# KiCad board keyball61_Left.kicad_pcb
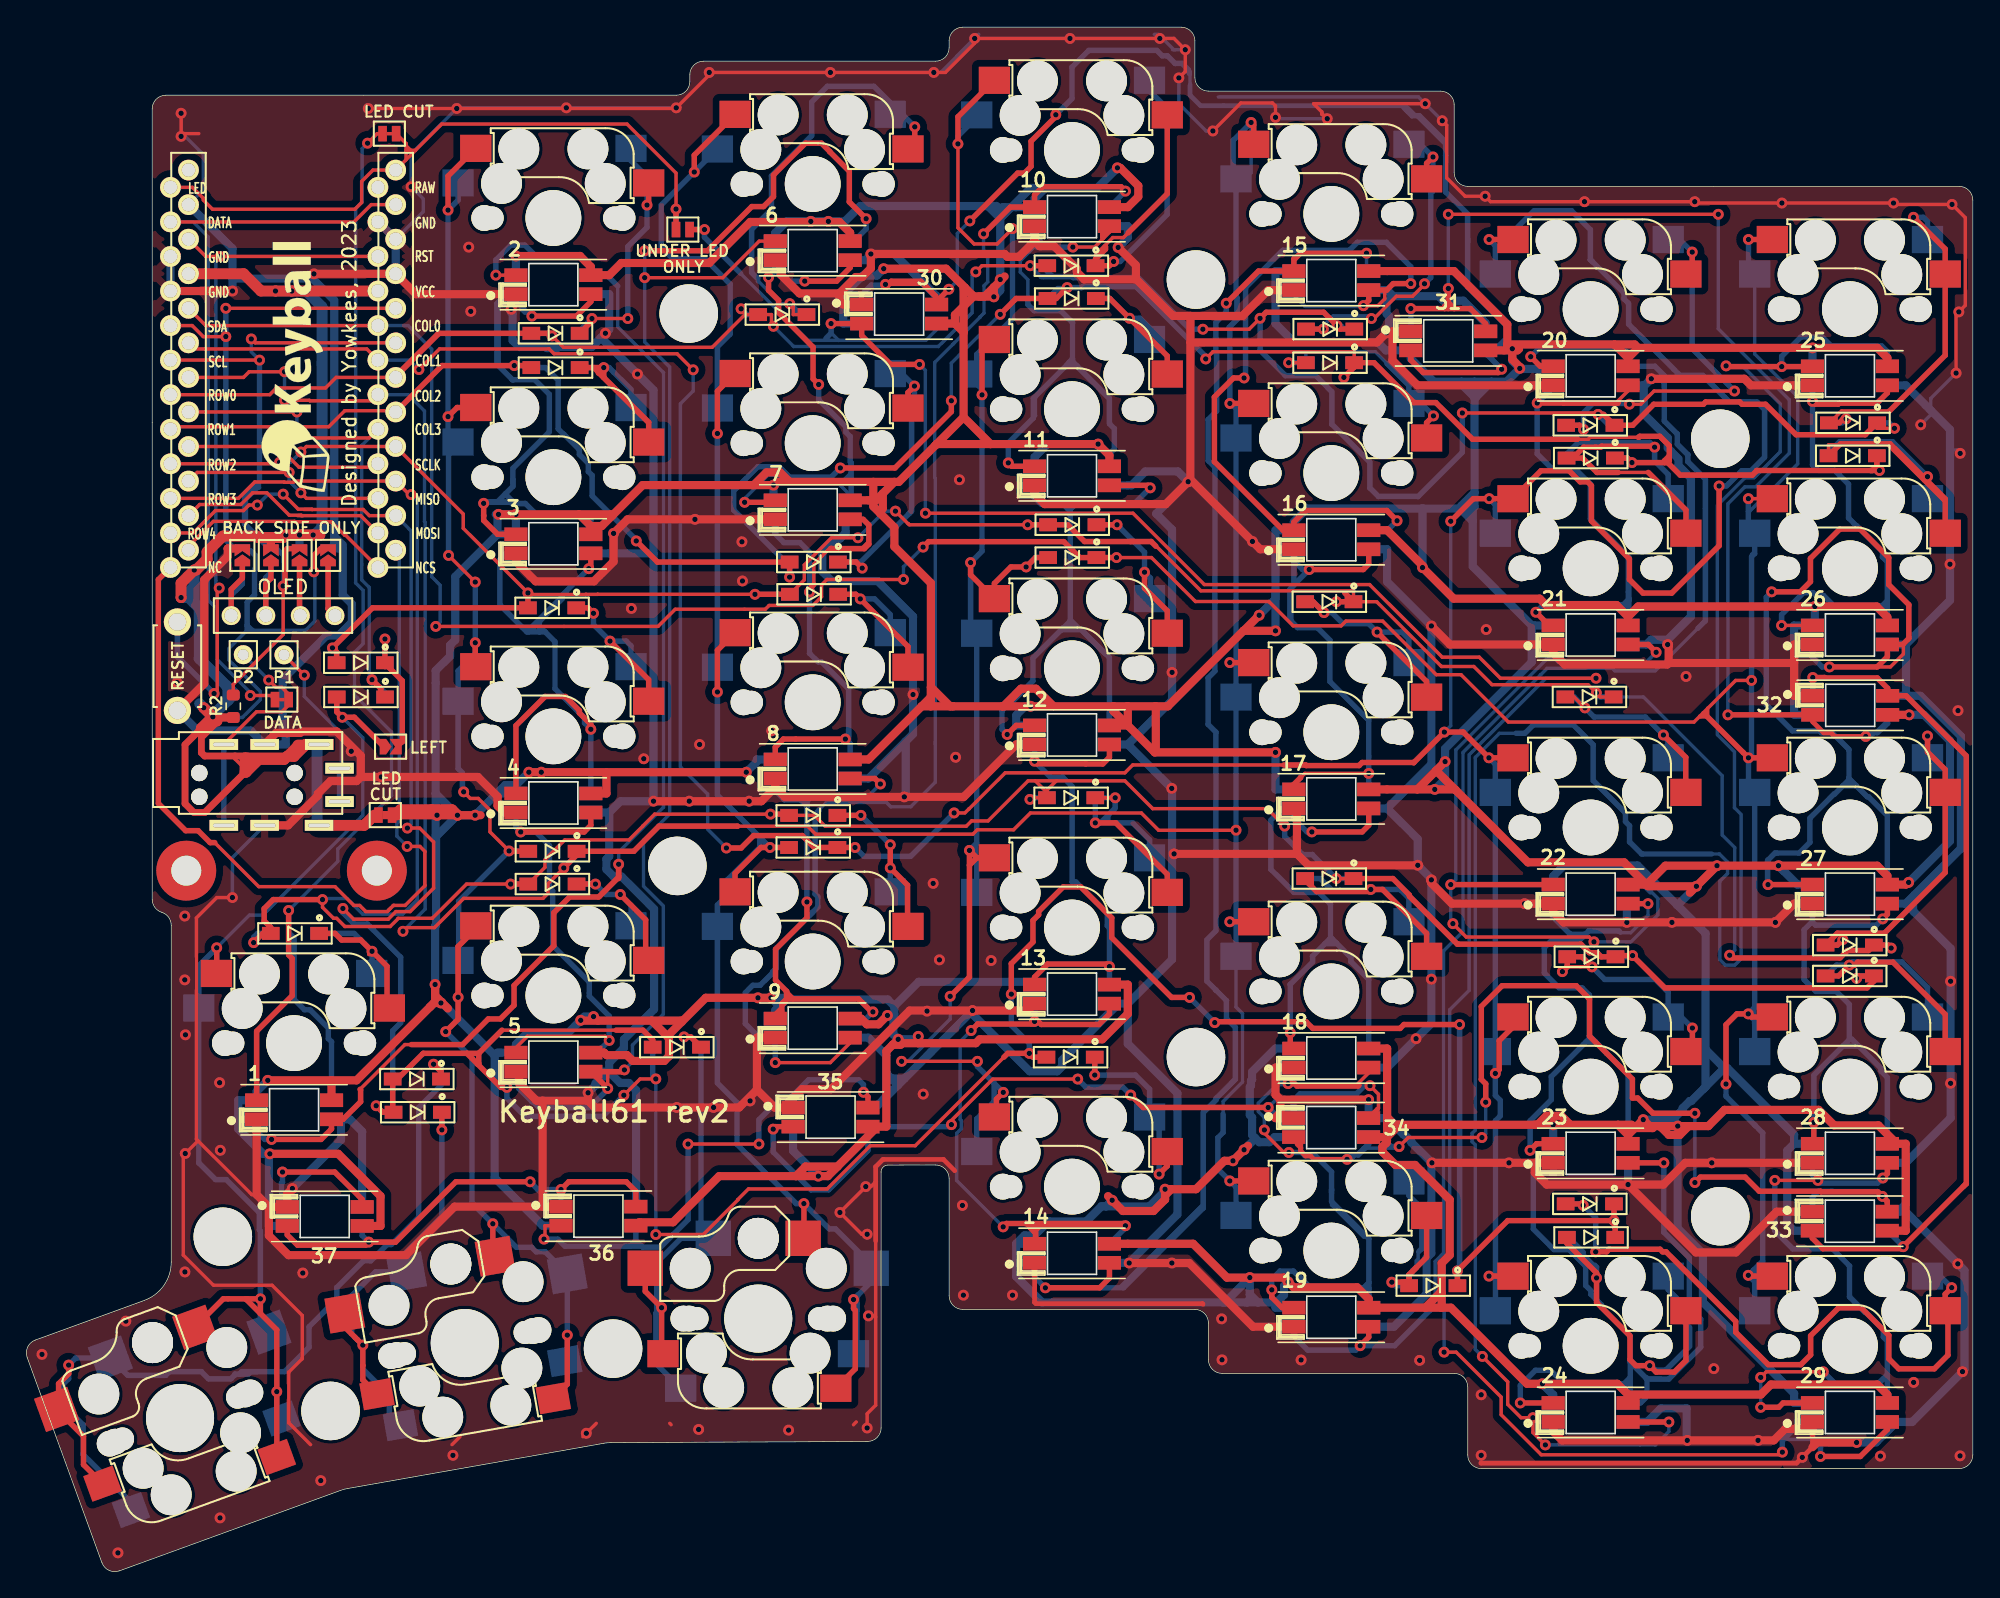
[diagram p0: board, top side]
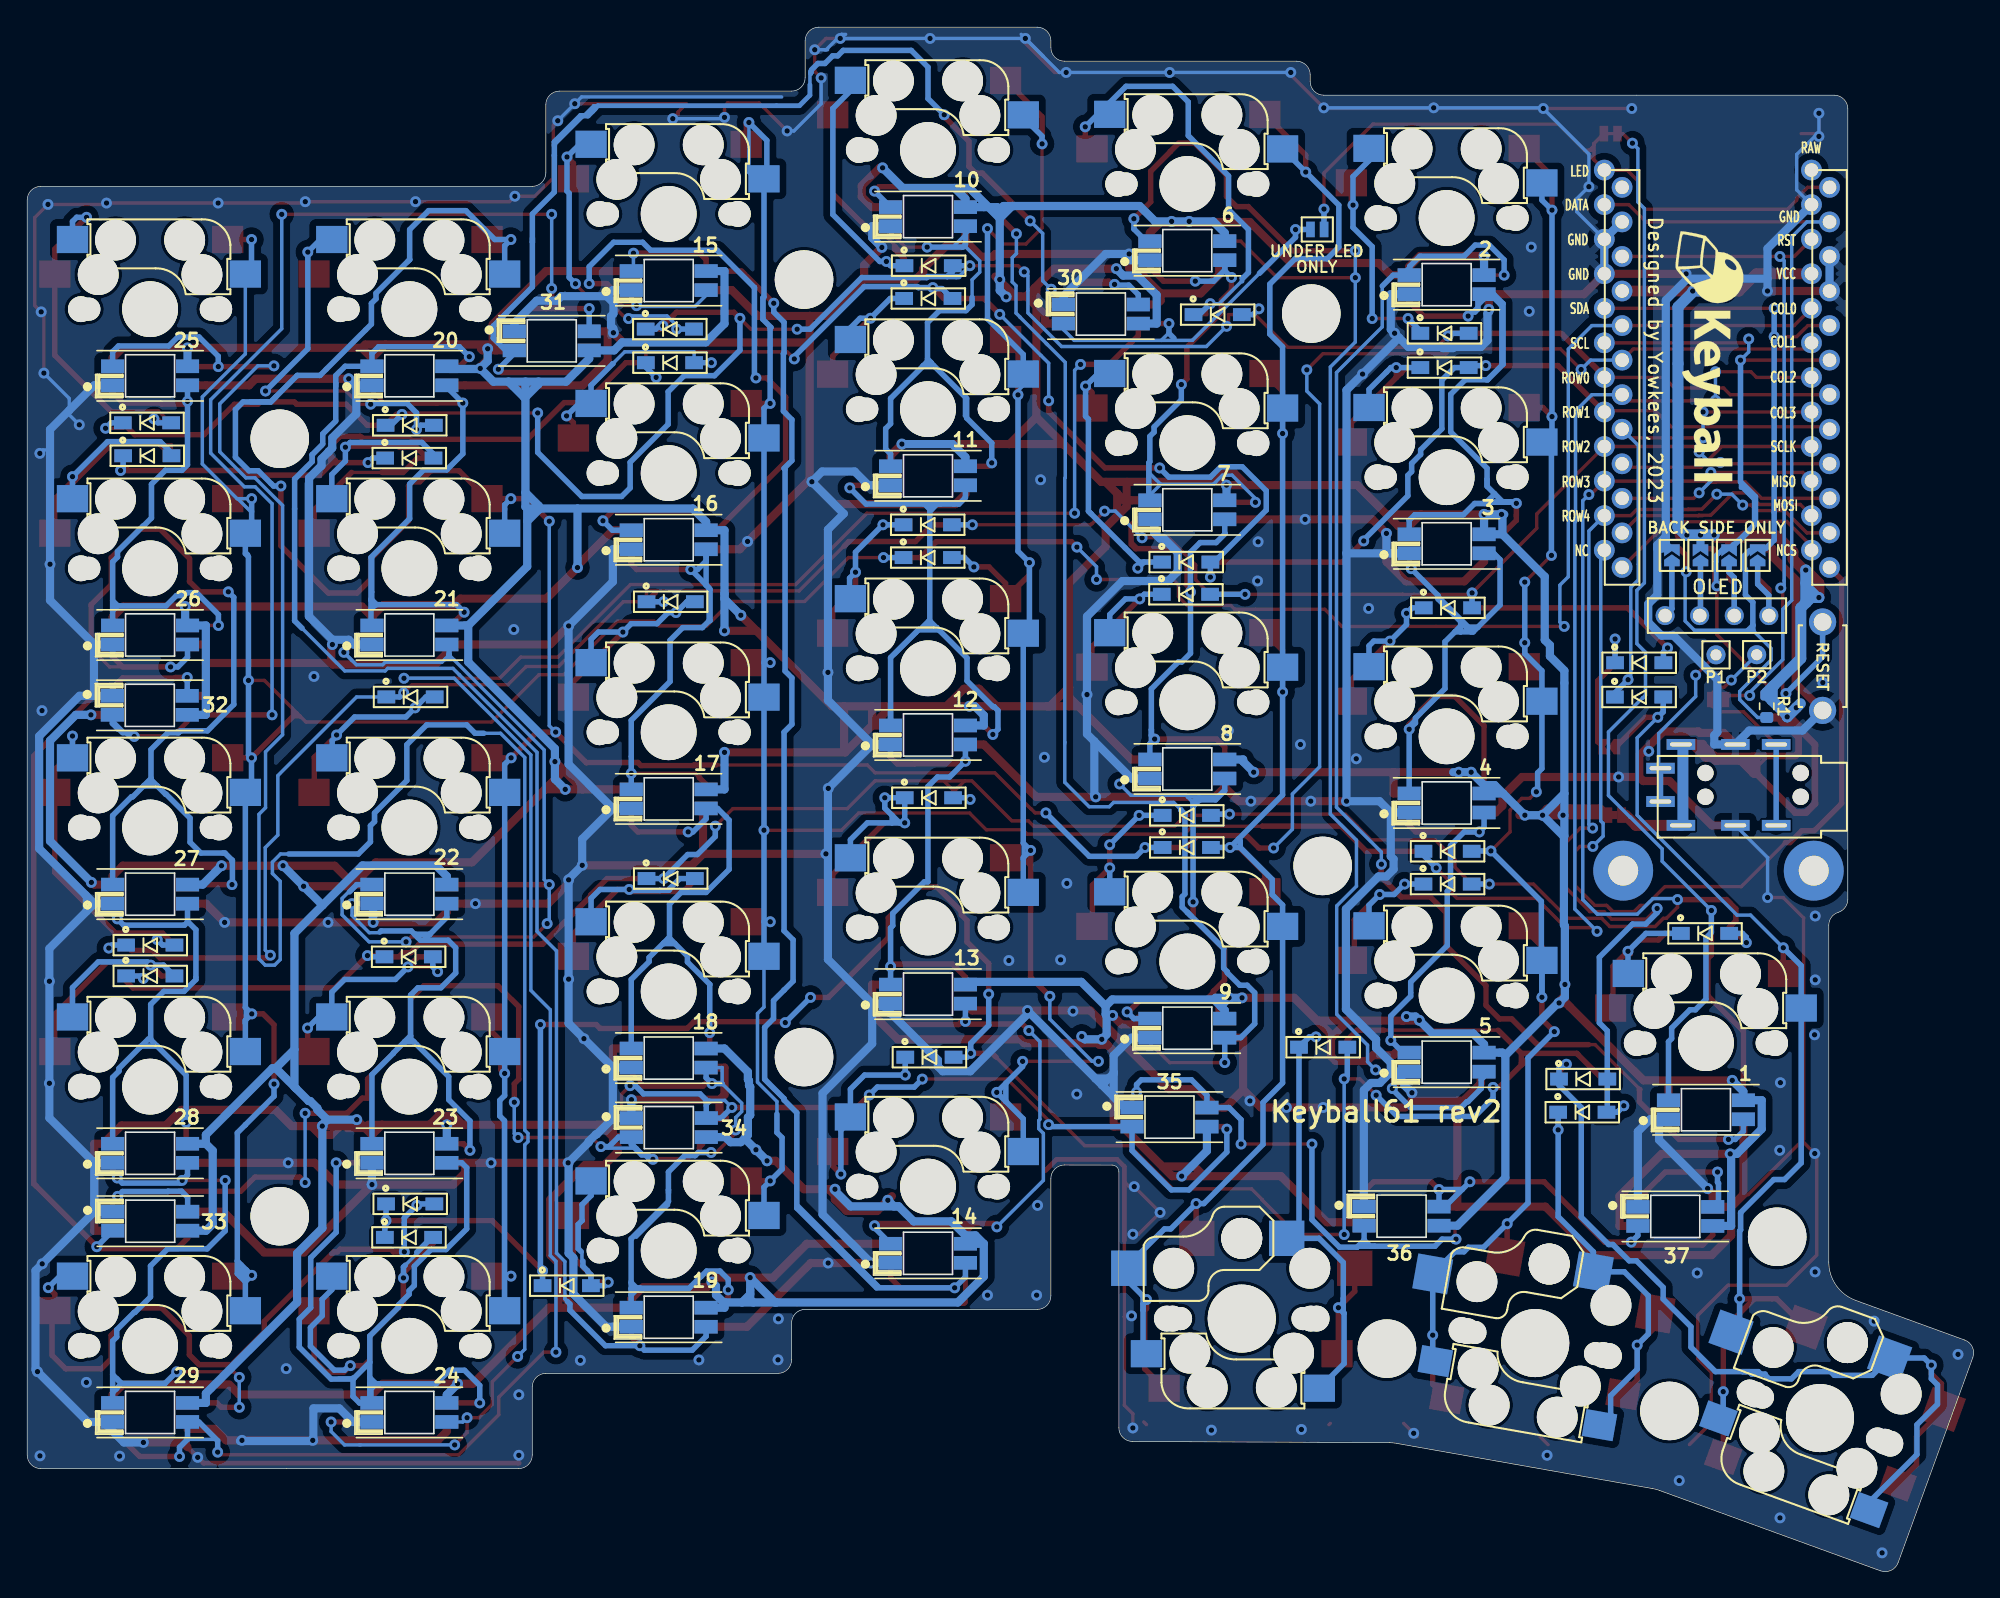
[diagram p1: board, bottom side, seen from below]

Outline 142.93 x 113.46 mm; copper layers: Top, Bottom. Coordinates in mm from the lower left corner of the outline.
Outline path: 0,15.68 arc(0.03,16.44) 0.6,16.96 8.61,19.88 arc(10.04,20.98) 10.58,22.7 10.58,47.45 arc(10.39,48.04) 9.88,48.41 arc(9.38,48.77) 9.18,49.36 9.18,84.41 9.18,107.46 arc(9.48,108.17) 10.18,108.46 47.68,108.46 arc(48.39,108.76) 48.68,109.46 48.68,109.96 arc(48.97,110.67) 49.68,110.96 66.73,110.96 arc(67.44,111.26) 67.73,111.96 67.73,112.46 arc(68.02,113.17) 68.73,113.46 84.78,113.46 arc(85.49,113.17) 85.78,112.46 85.78,109.76 arc(86.07,109.06) 86.78,108.76 103.83,108.76 arc(104.54,108.47) 104.83,107.76 104.83,102.76 arc(105.12,102.06) 105.83,101.76 123.88,101.76 141.93,101.76 arc(142.64,101.47) 142.93,100.76 142.93,8.51 arc(142.64,7.81) 141.93,7.51 123.88,7.51 106.83,7.51 arc(106.12,7.81) 105.83,8.51 105.83,13.51 arc(105.54,14.22) 104.83,14.51 87.78,14.51 arc(87.07,14.81) 86.78,15.51 86.78,18.21 arc(86.49,18.92) 85.78,19.21 68.73,19.21 arc(68.02,19.51) 67.73,20.21 67.73,28.83 arc(67.44,29.54) 66.73,29.83 63.23,29.82 arc(62.88,29.68) 62.73,29.32 62.73,10.51 arc(62.44,9.8) 61.73,9.51 42.86,9.42 arc(42.6,9.41) 42.35,9.38 23.52,6.05 arc(23.27,5.99) 23.02,5.91 6.77,0 arc(6.01,0.03) 5.49,0.6 0,15.68

## Placement (name value [footprint] x y rotation side)
1  YS-SK6812MINI-E  [YS-SK6812MINI-Keyball-TL]  19.6 33.89 0 top
2  YS-SK6812MINI-E  [YS-SK6812MINI-Keyball-TL]  38.65 94.54 0 top
3  YS-SK6812MINI-E  [YS-SK6812MINI-Keyball-TL]  38.65 75.49 0 top
4  YS-SK6812MINI-E  [YS-SK6812MINI-Keyball-TL]  38.65 56.44 0 top
5  YS-SK6812MINI-E  [YS-SK6812MINI-Keyball-TL]  38.65 37.39 0 top
6  YS-SK6812MINI-E  [YS-SK6812MINI-Keyball-TL]  57.7 97.04 0 top
7  YS-SK6812MINI-E  [YS-SK6812MINI-Keyball-TL]  57.7 77.99 0 top
8  YS-SK6812MINI-E  [YS-SK6812MINI-Keyball-TL]  57.7 58.94 0 top
9  YS-SK6812MINI-E  [YS-SK6812MINI-Keyball-TL]  57.7 39.89 0 top
10  YS-SK6812MINI-E  [YS-SK6812MINI-Keyball-TL]  76.75 99.54 0 top
11  YS-SK6812MINI-E  [YS-SK6812MINI-Keyball-TL]  76.75 80.49 0 top
12  YS-SK6812MINI-E  [YS-SK6812MINI-Keyball-TL]  76.75 61.44 0 top
13  YS-SK6812MINI-E  [YS-SK6812MINI-Keyball-TL]  76.75 42.39 0 top
14  YS-SK6812MINI-E  [YS-SK6812MINI-Keyball-TL]  76.75 23.34 0 top
15  YS-SK6812MINI-E  [YS-SK6812MINI-Keyball-TL]  95.8 94.84 0 top
16  YS-SK6812MINI-E  [YS-SK6812MINI-Keyball-TL]  95.8 75.79 0 top
17  YS-SK6812MINI-E  [YS-SK6812MINI-Keyball-TL]  95.8 56.74 0 top
18  YS-SK6812MINI-E  [YS-SK6812MINI-Keyball-TL]  95.8 37.69 0 top
19  YS-SK6812MINI-E  [YS-SK6812MINI-Keyball-TL]  95.8 18.64 0 top
20  YS-SK6812MINI-E  [YS-SK6812MINI-Keyball-TL]  114.85 87.84 0 top
21  YS-SK6812MINI-E  [YS-SK6812MINI-Keyball-TL]  114.85 68.79 0 top
22  YS-SK6812MINI-E  [YS-SK6812MINI-Keyball-TL]  114.85 49.74 0 top
23  YS-SK6812MINI-E  [YS-SK6812MINI-Keyball-TL]  114.85 30.69 0 top
24  YS-SK6812MINI-E  [YS-SK6812MINI-Keyball-TL]  114.85 11.64 0 top
25  YS-SK6812MINI-E  [YS-SK6812MINI-Keyball-TL]  133.9 87.84 0 top
26  YS-SK6812MINI-E  [YS-SK6812MINI-Keyball-TL]  133.9 68.79 0 top
27  YS-SK6812MINI-E  [YS-SK6812MINI-Keyball-TL]  133.9 49.74 0 top
28  YS-SK6812MINI-E  [YS-SK6812MINI-Keyball-TL]  133.9 30.69 0 top
29  YS-SK6812MINI-E  [YS-SK6812MINI-Keyball-TL]  133.9 11.64 0 top
30  YS-SK6812MINI-E  [YS-SK6812MINI-Keyball-BL]  64.05 92.38 0 top
31  YS-SK6812MINI-E  [YS-SK6812MINI-Keyball-BL]  104.39 90.41 0 top
32  YS-SK6812MINI-E  [YS-SK6812MINI-Keyball-BL]  133.92 63.62 0 top
33  YS-SK6812MINI-E  [YS-SK6812MINI-Keyball-BL]  133.89 25.7 0 top
34  YS-SK6812MINI-E  [YS-SK6812MINI-Keyball-BL]  95.79 32.58 0 top
35  YS-SK6812MINI-E  [YS-SK6812MINI-Keyball-BL]  59.01 33.35 0 top
36  YS-SK6812MINI-E  [YS-SK6812MINI-Keyball-BL]  41.96 26.07 0 top
37  YS-SK6812MINI-E  [YS-SK6812MINI-Keyball-BL]  21.85 26.05 0 top
D1  D  [D3_SMD_v2_BOTH]  134.13 84.38 180 top
D2  D  [D3_SMD_v2_BOTH]  114.83 84.2 180 top
D3  D  [D3_SMD_v2_BOTH]  95.72 91.27 180 top
D4  D  [D3_SMD_v2_BOTH]  76.71 95.93 180 top
D5  D  [D3_SMD_v2_BOTH]  55.47 92.34 180 top
D6  D  [D3_SMD_v2_BOTH]  38.81 90.96 180 top
D7  D  [D3_SMD_v2_BOTH]  134.11 81.96 180 top
D8  D  [D3_SMD_v2_BOTH]  114.86 81.79 180 top
D9  D  [D3_SMD_v2_BOTH]  95.71 88.8 180 top
D10  D  [D3_SMD_v2_BOTH]  76.73 93.52 180 top
D11  D  [D3_SMD_v2_BOTH]  57.78 74.15 180 top
D12  D  [D3_SMD_v2_BOTH]  38.81 88.44 180 top
D13  D  [D3_SMD_v2_BOTH]  133.89 45.99 180 top
D14  D  [D3_SMD_v2_BOTH]  114.77 64.23 180 top
D15  D  [D3_SMD_v2_BOTH]  95.66 71.23 180 top
D16  D  [D3_SMD_v2_BOTH]  76.77 76.89 180 top
D17  D  [D3_SMD_v2_BOTH]  57.8 71.78 180 top
D18  D  [D3_SMD_v2_BOTH]  38.56 70.78 180 top
D19  D  [D3_SMD_v2_BOTH]  24.5 66.75 180 top
D20  D  [D3_SMD_v2_BOTH]  133.89 43.72 180 top
D21  D  [D3_SMD_v2_BOTH]  114.91 45.13 180 top
D22  D  [D3_SMD_v2_BOTH]  95.66 50.88 180 top
D23  D  [D3_SMD_v2_BOTH]  76.69 56.82 180 top
D24  D  [D3_SMD_v2_BOTH]  57.74 55.53 180 top
D25  D  [D3_SMD_v2_BOTH]  38.58 50.48 180 top
D26  D  [D3_SMD_v2_BOTH]  19.67 46.85 180 top
D27  D  [D3_SMD_v2_BOTH]  114.79 26.97 180 top
D28  D  [D3_SMD_v2_BOTH]  114.88 24.51 180 top
D29  D  [D3_SMD_v2_BOTH]  103.29 20.96 180 top
D30  D  [D3_SMD_v2_BOTH]  76.65 37.75 180 top
D31  D  [D3_SMD_v2_BOTH]  47.72 38.49 180 top
D32  D  [D3_SMD_v2_BOTH]  28.68 33.71 180 top
D33  D  [D3_SMD_v2_BOTH]  28.62 36.15 180 top
D34  D  [D3_SMD_v2_BOTH]  76.77 74.48 180 top
D35  D  [D3_SMD_v2_BOTH]  57.74 53.17 180 top
D36  D  [D3_SMD_v2_BOTH]  38.58 52.89 180 top
D37  D  [D3_SMD_v2_BOTH]  24.51 64.23 180 top
DATA  Device_Jumper  [JP025]  18.7 64.04 180 top
G***  LOGO  [keyball_logo700]  20.03 89.07 90 top
G***#2  LOGO  [keyball_logo700]  19.66 88.7 270 bottom
J1  -  [OLED]  14.98 70.21 0 top
J2  Conn_01x01-Connector_Generic  [MountingHole_2.2mm_M2_Pad]  25.68 51.46 0 top
J3  Conn_01x01-Connector_Generic  [MountingHole_2.2mm_M2_Pad]  11.68 51.46 0 top
J4  Conn_01x01-Connector_Generic  [MountingHole_4.3mm_M4]  124.38 83.21 0 top
J5  Conn_01x01-Connector_Generic  [MountingHole_4.3mm_M4]  85.86 37.76 0 top
J6  Conn_01x01-Connector_Generic  [MountingHole_4.3mm_M4]  22.28 11.75 0 top
J7  Conn_01x01-Connector_Generic  [MountingHole_4.3mm_M4]  124.38 26.06 0 top
J8  Conn_01x01-Connector_Generic  [MountingHole_4.3mm_M4]  43.04 16.33 0 top
J9  Conn_01x01-Connector_Generic  [MountingHole_4.3mm_M4]  14.37 24.55 0 top
J10  Conn_01x01-Connector_Generic  [MountingHole_4.3mm_M4]  85.86 94.91 0 top
J11  Conn_01x01-Connector_Generic  [MountingHole_4.3mm_M4]  47.76 51.81 0 top
J12  Conn_01x01-Connector_Generic  [MountingHole_4.3mm_M4]  48.6 92.41 0 top
J13  TRS_JACK  [TRRS_JACK_MJ4PP9]  11.14 58.64 90 top
JP1  LEFT  [Jumper_NEW]  26.69 60.58 0 top
JP2  Device_Jumper_NO_Small  [Jumper_NEW]  15.8 74.64 90 top
JP3  Device_Jumper_NO_Small  [Jumper_NEW]  17.9 74.64 90 top
JP4  Device_Jumper_NO_Small  [Jumper_NEW]  20 74.64 90 top
JP5  BACK SIDE ONLY  [Jumper_NEW]  22.1 74.64 90 top
JP6  Device_Jumper_NO_Small  [Jumper_NEW]  15.8 74.64 90 bottom
JP7  BACK SIDE ONLY  [Jumper_NEW]  17.9 74.64 90 bottom
JP8  Device_Jumper_NO_Small  [Jumper_NEW]  20 74.64 90 bottom
JP9  Device_Jumper_NO_Small  [Jumper_NEW]  22.1 74.64 90 bottom
JP13  UNDER LED  [Jumper]  48.16 98.59 180 top
JP14  UNDER LED  [Jumper]  48.15 98.6 180 bottom
LED  CUT  [JP06]  26.3 55.55 180 top
LED CUT  Device_Jumper_NO_Small  [JP025]  26.6 105.64 180 top
P1  I2C  [1pin_conn]  18.86 67.33 0 top
P2  I2C  [1pin_conn]  15.87 67.34 0 top
R1  PULL_UP  [R_0603_1608Metric]  15.13 63.55 270 bottom
R2  PULL_UP  [R_0603_1608Metric]  15.13 63.55 90 top
SW1  SW_PUSH-kbd  [CherryMX_MidHeight_Hotswap]  133.9 92.74 0 top
SW2  SW_PUSH-kbd  [CherryMX_MidHeight_Hotswap]  114.85 92.74 0 top
SW3  SW_PUSH-kbd  [CherryMX_MidHeight_Hotswap]  95.8 99.74 0 top
SW4  SW_PUSH-kbd  [CherryMX_MidHeight_Hotswap]  76.75 104.44 0 top
SW5  SW_PUSH-kbd  [CherryMX_MidHeight_Hotswap]  57.7 101.94 0 top
SW6  SW_PUSH-kbd  [CherryMX_MidHeight_Hotswap]  38.65 99.44 0 top
SW7  SW_PUSH-kbd  [CherryMX_MidHeight_Hotswap]  133.9 73.69 0 top
SW8  SW_PUSH-kbd  [CherryMX_MidHeight_Hotswap]  114.85 73.69 0 top
SW9  SW_PUSH-kbd  [CherryMX_MidHeight_Hotswap]  95.8 80.69 0 top
SW10  SW_PUSH-kbd  [CherryMX_MidHeight_Hotswap]  76.75 85.39 0 top
SW11  SW_PUSH-kbd  [CherryMX_MidHeight_Hotswap]  57.7 82.89 0 top
SW12  SW_PUSH-kbd  [CherryMX_MidHeight_Hotswap]  38.65 80.39 0 top
SW13  SW_PUSH-kbd  [CherryMX_MidHeight_Hotswap]  133.9 54.64 0 top
SW14  SW_PUSH-kbd  [CherryMX_MidHeight_Hotswap]  114.85 54.64 0 top
SW15  SW_PUSH-kbd  [CherryMX_MidHeight_Hotswap]  95.8 61.64 0 top
SW16  SW_PUSH-kbd  [CherryMX_MidHeight_Hotswap]  76.75 66.34 0 top
SW17  SW_PUSH-kbd  [CherryMX_MidHeight_Hotswap]  57.7 63.84 0 top
SW18  SW_PUSH-kbd  [CherryMX_MidHeight_Hotswap]  38.65 61.34 0 top
SW19  SW_PUSH-kbd  [CherryMX_MidHeight_Hotswap]  133.9 35.59 0 top
SW20  SW_PUSH-kbd  [CherryMX_MidHeight_Hotswap]  114.85 35.59 0 top
SW21  SW_PUSH-kbd  [CherryMX_MidHeight_Hotswap]  95.8 42.59 0 top
SW22  SW_PUSH-kbd  [CherryMX_MidHeight_Hotswap]  76.75 47.29 0 top
SW23  SW_PUSH-kbd  [CherryMX_MidHeight_Hotswap]  57.7 44.79 0 top
SW24  SW_PUSH-kbd  [CherryMX_MidHeight_Hotswap]  38.65 42.29 0 top
SW25  SW_PUSH-kbd  [CherryMX_MidHeight_Hotswap]  19.6 38.79 0 top
SW26  SW_PUSH-kbd  [CherryMX_MidHeight_Hotswap]  133.9 16.54 0 top
SW27  SW_PUSH-kbd  [CherryMX_MidHeight_Hotswap]  114.85 16.54 0 top
SW28  SW_PUSH-kbd  [CherryMX_MidHeight_Hotswap]  95.8 23.54 0 top
SW29  SW_PUSH-kbd  [CherryMX_MidHeight_Hotswap]  76.75 28.24 0 top
SW30  SW_PUSH-kbd  [MX&Choc_V1_V2_Hotswap_BOTH]  53.7 18.54 180 top
SW31  SW_PUSH-kbd  [MX&Choc_V1_V2_Hotswap_BOTH]  32.15 16.74 190 top
SW32  SW_PUSH-kbd  [MX&Choc_V1_V2_Hotswap_BOTH]  11.23 11.23 200 top
SW33  RESET_SW  [ResetSW]  11.03 66.49 90 top
U1  ProMicro-kbd  [ProMicro_v2_for61]  19.41 88.48 0 top

## Library data of the parts
1-37 = -: Field4: REF**

## Footprints (pads in the part's own frame, mm; a bottom-side part is the same pattern mirrored in y, then rotated)
1pin_conn
  round 1.397 hole 0.813: 1(0,0)
CherryMX_MidHeight_Hotswap
  round 1.9 hole 1.9 unplated: (-5.08,0) (5.08,0)
  round 1.7 hole 1.7 unplated: (-4.5,0) (4.5,0)
  round 3 hole 3 unplated: (-3.81,2.54) (-2.54,5.08) (2.54,5.08) (3.81,2.54)
  round 4.1 hole 4.1 unplated: (0,0)
  rect 2.3x2 smd far side: 1(-7,2.58) 2(5.7,5.12)
  rect 2.3x2 smd: 1(-5.7,5.12) 2(7,2.58)
D3_SMD_v2_BOTH
  rect 1.3x0.95 smd: 1(-1.775,0) 2(1.775,0)
  rect 1.3x0.95 smd far side: 1(-1.775,0) 2(1.775,0)
JP06
  rect 0.4x0.6 smd: (0,0)
  rect 0.635x1.143 smd: 1(-0.5,0) 2(0.5,0)
JP025
  rect 0.381x0.25 smd: (0,0)
  rect 0.635x1.143 smd: 1(-0.5,0) 2(0.5,0)
Jumper
  rect 0.635x1.143 smd: 1(-0.5,0) 2(0.5,0)
Jumper_NEW
  custom 0.875x1.143 smd: 1(-0.5,0)
  custom 0.892x1.143 smd: 2(0.5,0)
MountingHole_2.2mm_M2_Pad
  round 4.4 hole 2.2: 1(0,0)
MountingHole_4.3mm_M4
  round 4.3 hole 4.3 unplated: (0,0)
MX&Choc_V1_V2_Hotswap_BOTH
  round 1.9 hole 1.9 unplated: (-5.5,0) (-5.08,0) (5.08,0) (5.5,0)
  round 3 hole 3 unplated: (-5,-3.7) (-3.81,2.54) (-2.54,5.08) (0,-5.9) (0,-5.9) (2.54,5.08) (3.81,2.54) (5,-3.7)
  round 1.7 hole 1.7 unplated: (-4.5,0) (4.5,0)
  round 4.1 hole 4.1 unplated: (0,0)
  round 5 hole 5 unplated: (0,0)
  rect 2.6x2.6 smd far side: 1(-8.3,-3.7) 2(3.3,-5.9)
  rect 2.3x2 smd far side: 1(-7,2.58) 2(5.7,5.12)
  rect 2.3x2 smd: 1(-5.7,5.12) 2(7,2.58)
  rect 2.6x2.6 smd: 1(-3.3,-5.9) 2(8.3,-3.7)
OLED
  round 1.397 hole 1: 1(0,0) 2(2.54,0) 3(5.08,0) 4(7.62,0)
ProMicro_v2_for61
  round 1.524 hole 1: 1(-8.89,13.208) 1(7.656,14.478) 2(-8.89,10.668) 2(7.656,11.938) 3(-8.89,8.128) 3(7.656,9.398) 4(-8.89,5.588) 4(7.656,6.858) 5(-8.89,3.048) 5(7.656,4.318) 6(-8.89,0.508) 6(7.656,1.778) 7(-8.89,-2.032) 7(7.656,-0.762) 8(-8.89,-4.572) 8(7.656,-3.302) 9(-8.89,-7.112) 9(7.656,-5.842) 10(-8.89,-9.652) 10(7.656,-8.382) 11(-8.89,-12.192) 11(7.656,-10.922) 12(-8.89,-14.732) 12(7.656,-13.462) 13(-7.564,-13.462) 13(6.35,-14.732) 14(-7.564,-10.922) 14(6.35,-12.192) 15(-7.564,-8.382) 15(6.35,-9.652) 16(-7.564,-5.842) 16(6.35,-7.112) 17(-7.564,-3.302) 17(6.35,-4.572) 18(-7.564,-0.762) 18(6.35,-2.032) 19(-7.564,1.778) 19(6.35,0.508) 20(-7.564,4.318) 20(6.35,3.048) 21(-7.564,6.858) 21(6.35,5.588) 22(-7.564,9.398) 22(6.35,8.128) 23(-7.564,11.938) 23(6.35,10.668) 24(-7.564,14.478) 24(6.35,13.208)
R_0603_1608Metric
  rrect 0.8x0.95 smd: 1(-0.825,0) 2(0.825,0)
ResetSW
  round 2 hole 1.3: 1(3.25,0) 2(-3.25,0)
TRRS_JACK_MJ4PP9
  round 1.2 hole 1.2 unplated: (-1.75,-1.5) (-1.75,-8.5) (0,-1.5) (0,-8.5)
  rect 0.8x2.1 hole 0.3x1.6: A(-2.1,-11.8) A(0.35,-11.8) B(-3.85,-3.3) B(2.1,-3.3) C(-3.85,-6.3) C(2.1,-6.3) D(-3.85,-10.3) D(2.1,-10.3)
YS-SK6812MINI-Keyball-BL
  rect 1.7x1 smd far side: 1(-2.75,-0.7) 2(-2.75,0.7) 3(2.75,0.7) 4(2.75,-0.7)
  rect 1.7x1 smd: 1(2.75,-0.7) 2(2.75,0.7) 3(-2.75,0.7) 4(-2.75,-0.7)
YS-SK6812MINI-Keyball-TL
  rect 1.7x1 smd far side: 1(-2.75,0.7) 2(-2.75,-0.7) 3(2.75,-0.7) 4(2.75,0.7)
  rect 1.7x1 smd: 1(2.75,0.7) 2(2.75,-0.7) 3(-2.75,-0.7) 4(-2.75,0.7)

## Nets
GND: 1.3 2.3 3.3 4.3 5.3 6.3 7.3 8.3 9.3 10.3 11.3 12.3 13.3 14.3 15.3 16.3 17.3 18.3 19.3 20.3 21.3 22.3 23.3 24.3 25.3 26.3 27.3 28.3 29.3 30.3 31.3 32.3 33.3 34.3 35.3 36.3 37.3 J13.C JP2.2 JP9.2 SW33.2 U1.3 U1.4 U1.23
VCC: J13.D JP3.2 JP8.2 LED.2 R1.1 R2.1 U1.21
COL0: D34.1 SW1.1 SW7.1 SW13.1 SW19.1 SW26.1 U1.20
COL1: D35.1 SW2.1 SW8.1 SW14.1 SW20.1 SW27.1 U1.19
COL2: D36.1 SW3.1 SW9.1 SW15.1 SW21.1 SW28.1 U1.18
COL3: D37.1 U1.17
DATA: DATA.2 U1.2
LED: JP13.2 JP14.2 LED CUT.1 U1.1
RESET: SW33.1 U1.22
ROW0: D1.1 D2.1 D3.1 D4.2 D5.2 D6.2 U1.7
ROW1: D7.1 D8.1 D9.1 D10.2 D11.2 D12.2 U1.8
ROW2: D13.1 D14.1 D15.1 D16.2 D17.2 D18.2 D19.2 U1.9
ROW3: D20.1 D21.1 D22.1 D23.2 D24.2 D25.2 D26.2 U1.10
ROW4: D27.1 D28.1 D29.1 D30.2 D31.2 D32.2 D33.2 U1.11
SCL: JP4.2 JP7.2 R2.2 U1.6
SDA: JP5.2 JP6.2 R1.2 U1.5
Net-(D1-Pad2): D1.2 SW1.2
Net-(D2-Pad2): D2.2 SW2.2
Net-(D3-Pad2): D3.2 SW3.2
Net-(D4-Pad1): D4.1 SW4.2
Net-(D5-Pad1): D5.1 SW5.2
Net-(D6-Pad1): D6.1 SW6.2
Net-(D7-Pad2): D7.2 SW7.2
Net-(D8-Pad2): D8.2 SW8.2
Net-(D9-Pad2): D9.2 SW9.2
Net-(D10-Pad1): D10.1 SW10.2
Net-(D11-Pad1): D11.1 SW11.2
Net-(D12-Pad1): D12.1 SW12.2
Net-(D13-Pad2): D13.2 SW13.2
Net-(D14-Pad2): D14.2 SW14.2
Net-(D15-Pad2): D15.2 SW15.2
Net-(D16-Pad1): D16.1 SW16.2
Net-(D17-Pad1): D17.1 SW17.2
Net-(D18-Pad1): D18.1 SW18.2
Net-(D19-Pad1): D19.1 JP1.2
Net-(D20-Pad2): D20.2 SW19.2
Net-(D21-Pad2): D21.2 SW20.2
Net-(D22-Pad2): D22.2 SW21.2
Net-(D23-Pad1): D23.1 SW22.2
Net-(D24-Pad1): D24.1 SW23.2
Net-(D25-Pad1): D25.1 SW24.2
Net-(D26-Pad1): D26.1 SW25.2
Net-(D27-Pad2): D27.2 SW26.2
Net-(D28-Pad2): D28.2 SW27.2
Net-(D29-Pad2): D29.2 SW28.2
Net-(D30-Pad1): D30.1 SW29.2
Net-(D31-Pad1): D31.1 SW30.2
Net-(D32-Pad1): D32.1 SW31.2
Net-(D33-Pad1): D33.1 SW32.2
Net-(D34-Pad2): D34.2 SW4.1 SW10.1 SW16.1 SW22.1 SW29.1
Net-(D35-Pad2): D35.2 SW5.1 SW11.1 SW17.1 SW23.1 SW30.1
Net-(D36-Pad2): D36.2 SW6.1 SW12.1 SW18.1 SW24.1 SW31.1
Net-(D37-Pad2): D37.2 JP1.1 SW25.1 SW32.1
Net-(J1-Pad1): J1.1 JP2.1 JP6.1
Net-(J1-Pad2): J1.2 JP3.1 JP7.1
Net-(J1-Pad3): J1.3 JP4.1 JP8.1
Net-(J1-Pad4): J1.4 JP5.1 JP9.1
Net-(J13-PadA): J13.A P1.1
Net-(J13-PadB): DATA.1 J13.B P2.1
Net-(JP11-Pad1): 1.1 2.1 3.1 4.1 5.1 6.1 7.1 8.1 9.1 10.1 11.1 12.1 13.1 14.1 15.1 16.1 17.1 18.1 19.1 20.1 21.1 22.1 23.1 24.1 25.1 26.1 27.1 28.1 29.1 30.1 31.1 32.1 33.1 34.1 35.1 36.1 37.1 LED.1
Net-(JP12-Pad2): 1.4 LED CUT.2
Net-(JP13-Pad1): 29.2 30.4 JP13.1 JP14.1
Net-(LED1-Pad2): 1.2 2.4
Net-(LED2-Pad2): 2.2 3.4
Net-(LED3-Pad2): 3.2 4.4
Net-(LED4-Pad2): 4.2 5.4
Net-(LED5-Pad2): 5.2 6.4
Net-(LED6-Pad2): 6.2 7.4
Net-(LED7-Pad2): 7.2 8.4
Net-(LED8-Pad2): 8.2 9.4
Net-(LED10-Pad2): 10.2 11.4
Net-(LED10-Pad4): 9.2 10.4
Net-(LED11-Pad2): 11.2 12.4
Net-(LED12-Pad2): 12.2 13.4
Net-(LED13-Pad2): 13.2 14.4
Net-(LED14-Pad2): 14.2 15.4
Net-(LED15-Pad2): 15.2 16.4
Net-(LED16-Pad2): 16.2 17.4
Net-(LED17-Pad2): 17.2 18.4
Net-(LED18-Pad2): 18.2 19.4
Net-(LED19-Pad2): 19.2 20.4
Net-(LED20-Pad2): 20.2 21.4
Net-(LED21-Pad2): 21.2 22.4
Net-(LED22-Pad2): 22.2 23.4
Net-(LED23-Pad2): 23.2 24.4
Net-(LED24-Pad2): 24.2 25.4
Net-(LED25-Pad2): 25.2 26.4
Net-(LED26-Pad2): 26.2 27.4
Net-(LED27-Pad2): 27.2 28.4
Net-(LED28-Pad2): 28.2 29.4
Net-(LED30-Pad2): 30.2 31.4
Net-(LED31-Pad2): 31.2 32.4
Net-(LED32-Pad2): 32.2 33.4
Net-(LED33-Pad2): 33.2 34.4
Net-(LED34-Pad2): 34.2 35.4
Net-(LED35-Pad2): 35.2 36.4
Net-(LED36-Pad2): 36.2 37.4
Net-(LED37-Pad2): 37.2
Net-(U1-Pad12): U1.12
Net-(U1-Pad13): U1.13
Net-(U1-Pad14): U1.14
Net-(U1-Pad15): U1.15
Net-(U1-Pad16): U1.16
Net-(U1-Pad24): U1.24

Pads without a net: J2 1; J3 1

## Via types
v1: diameter 0.8, hole 0.4, Top to Bottom, 538 vias

## Routing (per net, layer and track width the routed paths; a pad name or vN(x,y) marks a point on that pad's centre or on a via; arc(x,y) is an arc through that point)
GND: length 1488.1
  Top w0.25: 95.6,106.64 v1(95.5,106.74) 95.1,107.14 95.1,107.24 ; 15.2,49.49 v1(15.07,49.49) 13.92,49.49 12.43,47.99 12.43,31.72 12.54,31.61 ; 12.54,31.61 v1(11.61,30.67) 11.46,30.53 11.46,23.21 13.68,20.99 17.98,20.99 20.2,18.77 20.2,15.59 19.21,14.6 19.21,10.88 20.82,9.28 ; 12.54,31.61 16.5,27.65 16.85,27.65 ; 41.8,10.84 v1(41.07,10.11) 40.82,9.86 ; v1(11.3,107.14) v1(11.3,105.44) 11.5,105.64 12.6,105.64 ; 31.79,9.86 31.21,9.28 ; 62.33,28.59 61.97,28.24 v1(61.6,28.24) v1(59.7,26.34) 61.3,24.74 v1(61.7,24.74) ; v1(91.7,106.84) 91.7,107.67 91.48,107.89 89.16,107.89 v1(87.1,105.84) ; 60.7,10.74 60.9,10.94 ; 47.2,10.84 47.3,10.74 ; v1(61.7,10.5) 61.7,11.54 62.33,12.16 62.33,18.66 ; 62.33,24.26 62.33,18.66 ; 62.33,18.66 62.25,18.74 v1(61.8,18.74) ; v1(25.05,107.49) v1(31.55,107.49) 47.63,107.49 v1(47.68,107.54) 50.1,109.96 v1(50.1,110.14) v1(66.6,110.14) 67.45,110.14 69.6,112.29 v1(69.6,112.64) 84.24,112.64 v1(85.07,111.81) 85.07,110.21 v1(84.6,109.74) ; 95.1,107.24 94.5,107.84 v1(102.7,107.84) ; 95.1,107.24 95.1,107.04 ; v1(103.95,106.59) 104.28,106.26 104.28,102.39 105.63,101.04 v1(107.1,101.04) 107.5,100.64 v1(114.4,100.64) v1(122.5,100.64) 122.6,100.54 v1(128.9,100.54) v1(137.1,100.54) 137.2,100.44 v1(141.4,100.44) 142.38,99.46 142.38,93.01 v1(141.9,92.54) 141.7,92.34 v1(141.7,88.04)
  Top w0.35: 62.33,24.26 62.33,29.7 62.87,30.24 67.31,30.24 68.14,29.41 ; 29.3 131.15,9.09 v1(130.4,8.34) 129.98,7.91 106.84,7.91 106.79,7.92 ; 15.22,75.14 JP2.2 ; 14.3 74,19.74 74.1,19.64 86.34,19.64 86.38,19.6
  Top w0.6: v1(80.96,22.62) v1(84.09,22.62) 85.37,22.62 90.05,17.94 19.3 ; 24.5,58.35 v1(26.02,58.35) 33.11,58.35 34.55,56.91 34.55,56.24 35.05,55.74 4.3 ; 24.5,58.35 24.2,58.05 22.28,58.05 21.35,57.12 21.35,56.98 19.16,54.79 J13.C ; 24.5,58.35 24.5,59.92 22.73,61.7 20.16,61.7 20.05,61.59 18.29,61.59 J13.C ; v1(103.19,29.99) v1(108.85,29.99) 110.75,29.99 ; v1(46.01,56.57) v1(48.64,56.57) v1(53.04,56.57) 53.94,56.57 54.95,57.59 ; 54.95,57.59 55.65,56.89 v1(64.43,56.89) 68.8,56.89 72.65,60.74 12.3 ; 54.95,57.59 8.3 ; 15.3 91.17,94.14 89.28,92.24 85.45,92.24 ; 41.2,34.55 v1(41.2,35.14) ; 41.2,34.55 37.86,34.55 ; 41.2,34.55 41.7,34.06 v1(47.72,34.06) v1(50.42,34.06) 52.3,34.06 53.6,35.36 ; v1(103.15,50.79) 103.15,50.55 104.67,49.04 v1(110,49.04) 22.3 112.1,48.43 112.87,47.66 v1(117.52,47.66) v1(120.83,47.66) v1(128.43,47.66) 129.8,49.04 27.3 ; 9.3 53.6,39.19 53.6,35.36 ; 59.67,93.9 60.87,95.1 61.34,95.1 61.98,95.74 v1(61.98,96.8) 71.8,96.8 72.01,96.59 72.85,96.59 74,97.74 ; 59.67,93.9 56.73,93.9 55.36,95.27 55.36,95.93 6.3 ; 59.67,93.9 59.67,93.37 59.95,93.08 30.3 ; v1(19.48,28.1) 19.1,27.73 37.3 17.75,26.75 ; 31.3 100.29,91.11 100.29,91 ; SW33.2 13,65.22 13,72.85 14.73,74.58 14.73,75.14 14.73,75.14 15.22,75.14 ; 28.3 v1(123.75,29.99) 121.8,29.99 120.21,28.39 v1(117.6,28.39) ; v1(117.6,28.39) 111.62,28.39 110.75,29.26 110.75,29.99 ; v1(117.6,28.39) 122.59,23.4 125.53,23.4 128.52,26.4 33.3 ; 85.45,90.29 85.45,92.24 ; 85.45,90.29 85.45,80.22 ; 85.45,90.29 99.15,90.29 v1(99.87,91) 100.29,91 ; 85.45,92.24 84.18,92.24 81.45,94.98 ; 120.59,66.73 120.48,66.62 112.95,66.62 112.1,67.46 21.3 104.52,68.09 v1(103.15,69.45) ; 120.59,66.73 120.59,68.01 v1(120.51,68.09) ; 120.59,66.73 129.8,66.73 ; 27.07,95.33 U1.4 ; 27.07,95.33 v1(21.06,95.33) ; 27.07,95.33 28.56,93.84 35.55,93.84 ; 37.86,26.77 37.86,34.55 ; 37.86,26.77 31.4,26.77 27.83,23.2 19.19,23.2 17.75,24.64 17.75,26.75 ; 37.86,26.77 36.3 ; 37.86,34.55 37.42,34.55 36.14,35.83 36.14,36.45 5.3 ; 85.45,80.22 v1(85.29,80.05) 83.64,78.41 74.74,78.41 74,79.15 11.3 ; 85.45,80.22 v1(90.01,75.66) 90.58,75.09 16.3 ; 7.3 v1(49.05,77.29) 44.11,77.29 v1(43.08,76.26) 43.08,74.18 41.63,72.73 37.35,72.73 35.9,74.18 3.3 ; 32.3 129.82,64.32 129.8,64.34 129.8,66.73 ; 110.75,29.99 23.3 ; v1(119.31,87.62) 126.15,87.62 126.63,87.14 25.3 ; 131.15,10.43 129.15,10.43 128.31,9.59 v1(127.15,9.59) v1(121.95,9.59) 112.76,9.59 112.1,10.25 24.3 ; 92.07,34.63 v1(98.54,34.63) ; 92.07,34.63 91.7,34.99 91.7,36.99 18.3 ; 92.07,34.63 92.07,33.68 91.69,33.31 91.69,33.28 34.3 ; 35.55,93.84 v1(35.55,92.73) ; 35.55,93.84 2.3 ; v1(102.16,51.86) 94.12,51.86 93.28,52.7 ; 17.75,26.75 16.85,27.65 1.3 ; 74,97.74 74.38,97.37 75.45,97.37 77.11,95.7 77.11,95.47 77.65,94.93 81.4,94.93 81.45,94.98 ; 74,97.74 10.3 ; v1(80.14,97.28) 81.45,95.97 81.45,94.98 ; 53.6,35.36 54.91,34.05 55.67,34.05 ; 55.67,34.05 35.3 ; 55.67,34.05 55.67,34.16 56.91,35.4 59.04,35.4 64.83,41.18 v1(69.45,41.18) 73.5,41.18 13.3 ; 129.8,66.73 129.8,68.09 26.3 ; v1(134.39,9.43) 131.5,9.43 131.15,9.09 ; 93.28,52.7 93.28,55.81 17.3 ; 93.28,52.7 v1(84.25,52.7) ; 100.29,91 100.29,88.98 102.13,87.14 20.3 ; v1(15.08,94.07) U1.4